# Altium PCB Convector_digit.PcbDoc
Units mm, origin at the board's own origin, x right, y up, seen from the top; angles counter-clockwise.
Board outline 92.7 x 51.01 mm, 2 copper layers (Top Layer, Bottom Layer), stack 1.671 mm thick; 94 components, 78 nets, 290 pads, 65 vias.
Unrouted connection lines stored in the file: 7.
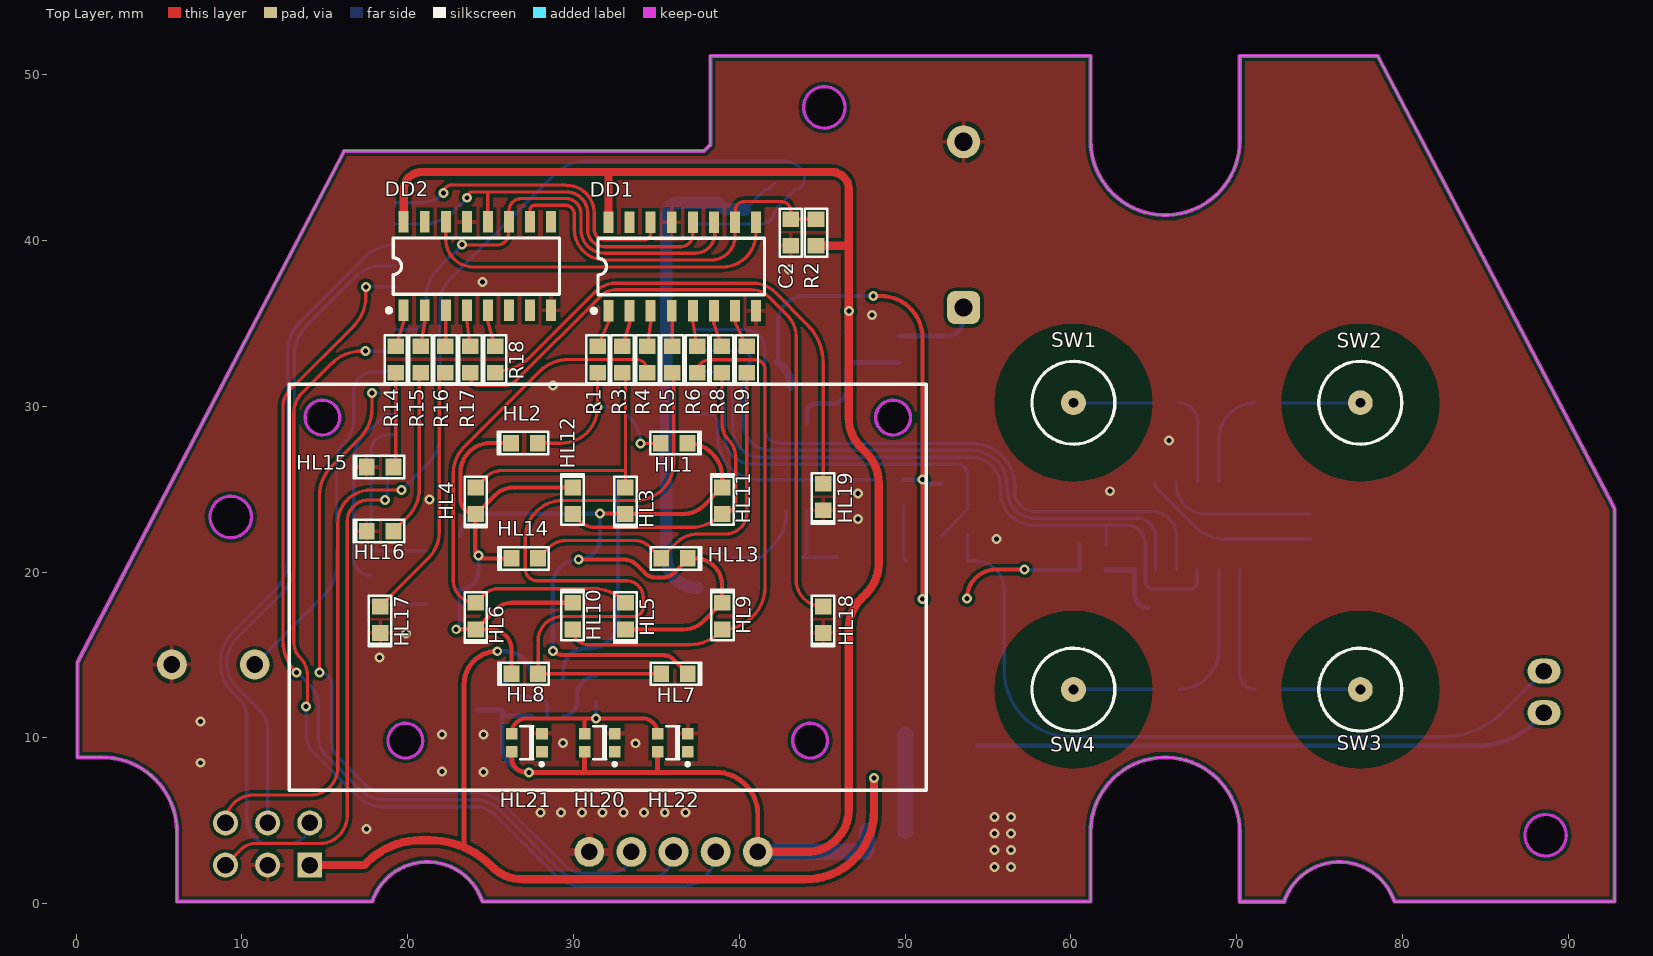
[diagram p0: Top Layer view]
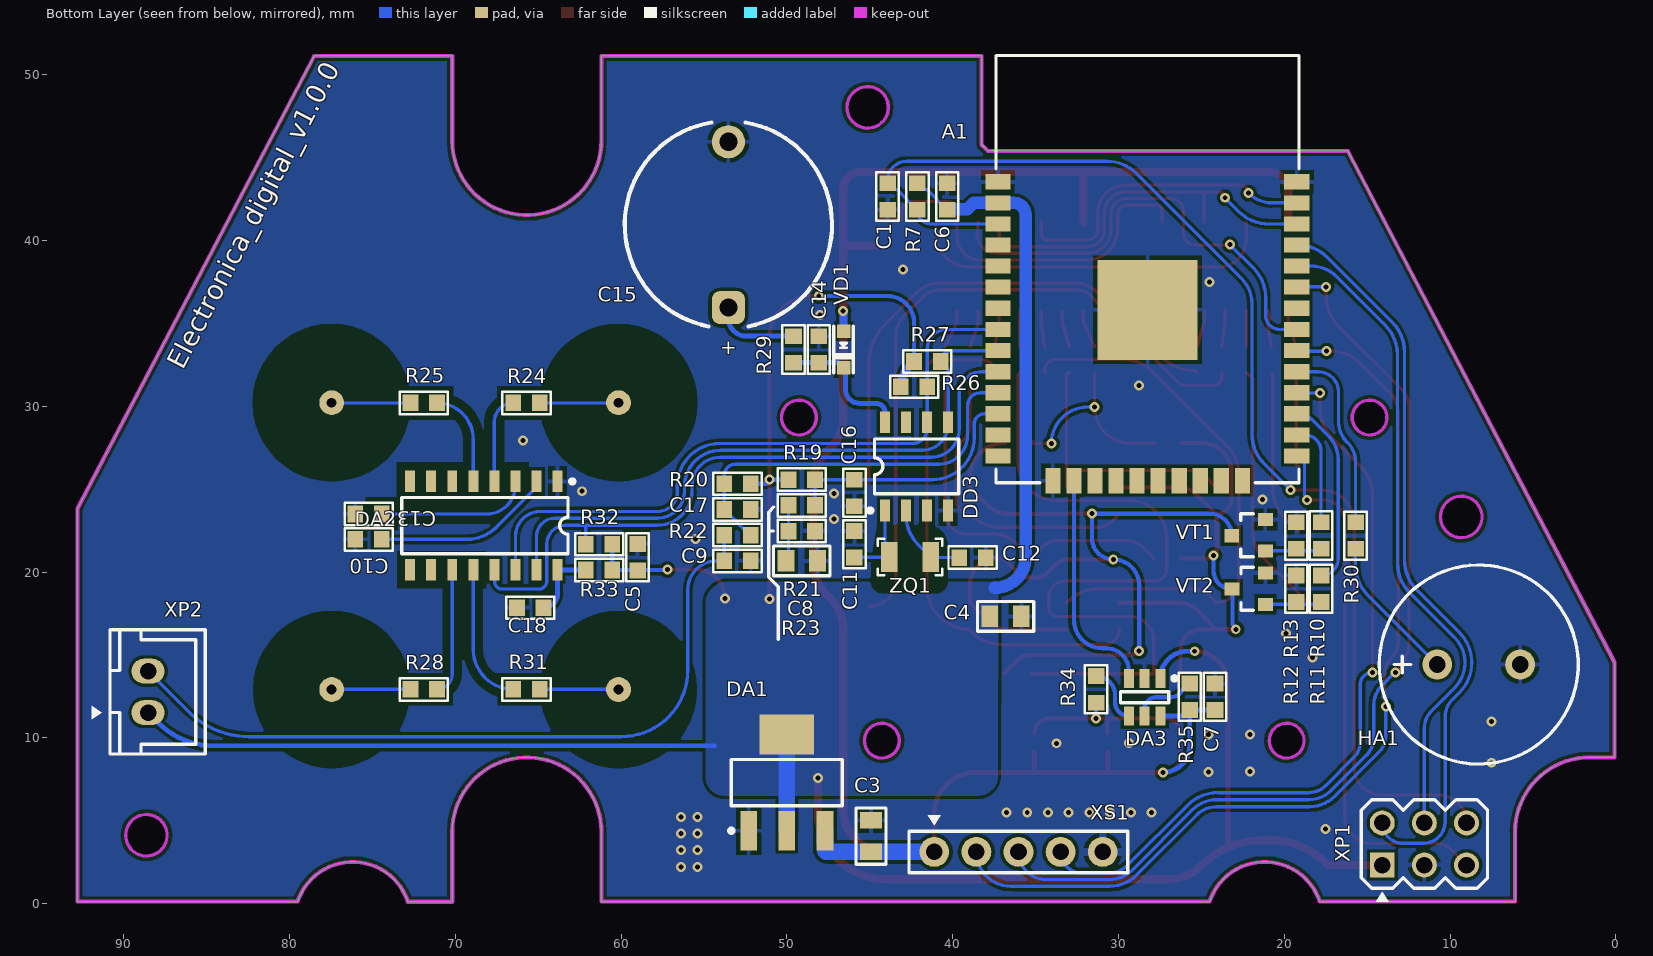
[diagram p1: Bottom Layer view, seen from below]
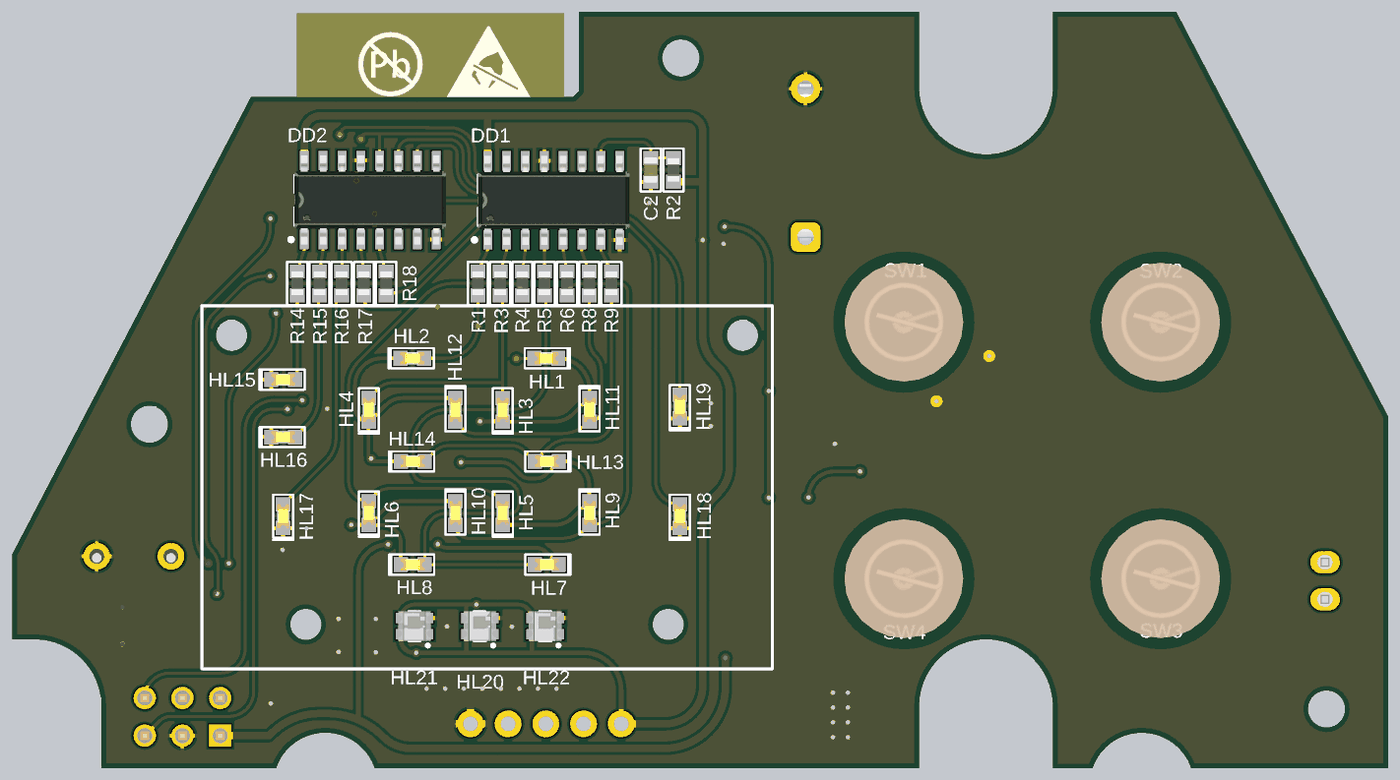
[diagram p2: 3D render of the assembled board from above, using the file's embedded part models]
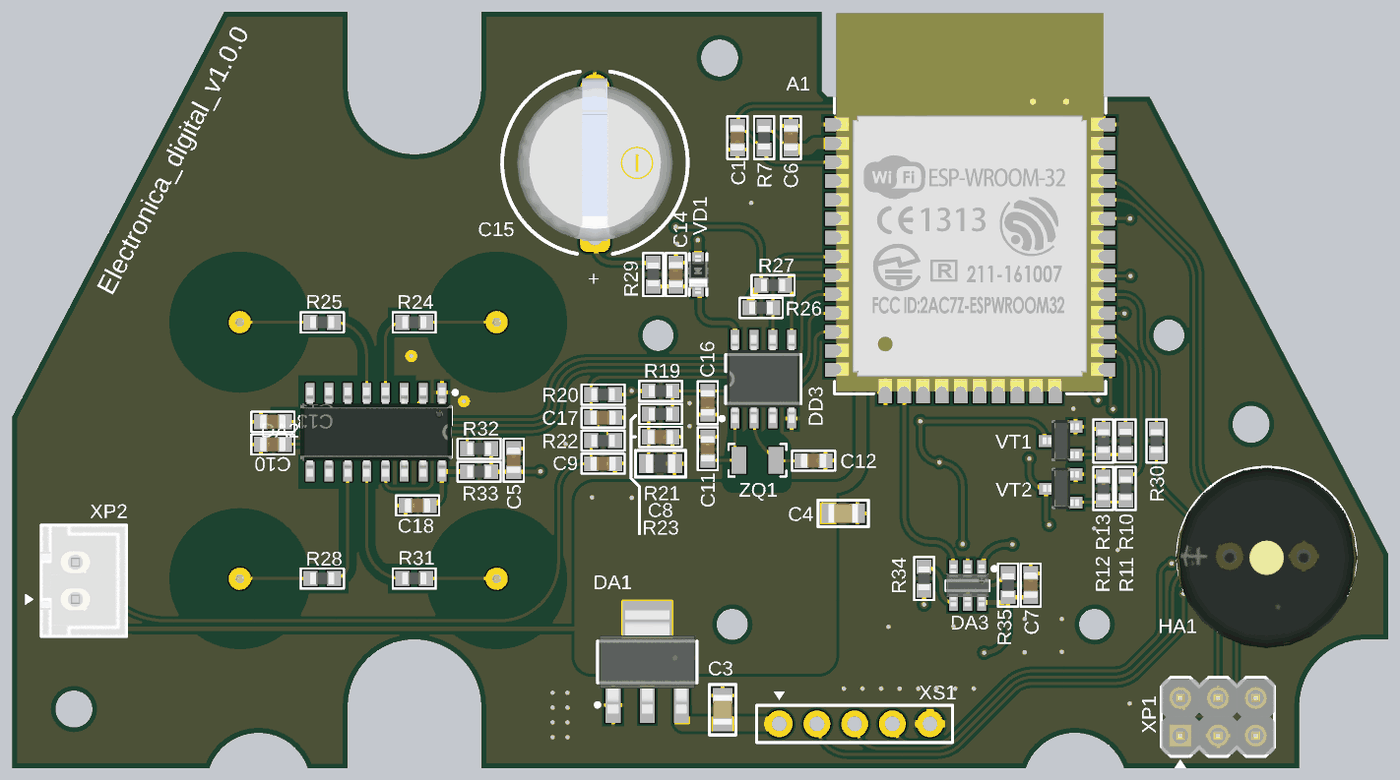
[diagram p3: 3D render of the assembled board from below, using the file's embedded part models]

## Layer stack, top to bottom
Top Solder: solder mask 0.0102, Solder Resist, Dk 3.5
Top Layer: signal copper 0.0356
Dielectric 1: dielectric 1.6, FR-4, Dk 4.8
Bottom Layer: signal copper 0.0356
Bottom Solder: solder mask 0.0102, Solder Resist, Dk 3.5

## Board outline
0.082,8.826 1.582,8.826 cw(c1.582,4.326) 6.082,4.326 6.082,0.126 17.859,0.126 cw(c21.182,-0.974) 24.505,0.126 61.182,0.126 61.182,4.334 cw(c65.682,4.326) 70.182,4.326 70.182,0.117 72.859,0.117 cw(c76.183,-0.979) 79.505,0.126 92.782,0.126 92.782,23.826 78.5,51.126 70.182,51.126 70.182,46.026 cw(c65.682,46.026) 61.182,46.026 61.182,51.126 38.25,51.126 38.25,45.775 37.875,45.4 16.165,45.4 0.082,14.56
cut-out: 18.813,9.834 ccw(c19.863,9.834) 19.863,8.784 ccw(c19.863,9.834) 20.913,9.834 ccw(c19.863,9.834) 19.863,10.884 ccw(c19.863,9.834)
cut-out: 43.227,9.834 ccw(c44.277,9.834) 44.277,8.784 ccw(c44.277,9.834) 45.327,9.834 ccw(c44.277,9.834) 44.277,10.884 ccw(c44.277,9.834)
cut-out: 48.227,29.321 ccw(c49.277,29.321) 49.277,28.271 ccw(c49.277,29.321) 50.327,29.321 ccw(c49.277,29.321) 49.277,30.371 ccw(c49.277,29.321)
cut-out: 14.863,28.271 cw(c14.863,29.321) 13.813,29.321 cw(c14.863,29.321) 14.863,30.371 cw(c14.863,29.321) 15.913,29.321 cw(c14.863,29.321)
cut-out: 87.375,4.125 ccw(c88.625,4.125) 88.625,2.875 ccw(c88.625,4.125) 89.875,4.125 ccw(c88.625,4.125) 88.625,5.375 ccw(c88.625,4.125)
cut-out: 43.875,48.025 ccw(c45.125,48.025) 45.125,46.775 ccw(c45.125,48.025) 46.375,48.025 ccw(c45.125,48.025) 45.125,49.275 ccw(c45.125,48.025)
cut-out: 8.075,23.325 cw(c9.325,23.325) 9.325,24.575 cw(c9.325,23.325) 10.575,23.325 cw(c9.325,23.325) 9.325,22.075 cw(c9.325,23.325)

## Design rules (kind name [scope] priority, off if disabled: settings)
Clearance Clearance_2 [InNetClass('touch1')] p1: gap=0.2 ignorepadtopadclearanceinfootprint=FALSE except(0: Arc-Hole Track-Hole SMDPad-Hole THPad-Hole Via-Hole Fill-Hole Poly-Hole Region-Hole Text-Hole; 0.5: SMDPad-Fill SMDPad-Poly SMDPad-Region; 4: THPad-Fill THPad-Poly THPad-Region)
Clearance Clearance_1 [InNetClass('touch') vs OnLayer('Bottom Layer')] p2: gap=0.2 ignorepadtopadclearanceinfootprint=FALSE except(0.5: Arc-Fill Arc-Poly Arc-Region Arc-Hole Track-Fill Track-Poly Track-Region Track-Hole SMDPad-Fill SMDPad-Poly SMDPad-Region THPad-Fill THPad-Poly THPad-Region)
Clearance [All] p3: gap=0.2 ignorepadtopadclearanceinfootprint=FALSE except(0: Arc-Hole Track-Hole SMDPad-Hole THPad-Hole Via-Hole Fill-Hole Poly-Hole Region-Hole Text-Hole)
ComponentClearance [All] p1: gap=0.254 collisioncheckmode=3 verticalgap=0 showdistances=FALSE
HoleToHoleClearance [All] p1: gap=0 allowstackedmicrovias=TRUE
MinimumSolderMaskSliver [All] p1: minsoldermaskwidth=0
PolygonConnect PolygonConnect_1 [InNet('3.3V')] p1: connectstyle=Direct reliefconductorwidth=0.254 reliefentries=4 polygonreliefangle="90 Angle" airgapwidth=0.254
PolygonConnect [All] p2: thpad.connectstyle=Relief thpad.reliefconductorwidth=0.254 thpad.reliefentries=4 thpad.polygonreliefangle="90 Angle" thpad.airgapwidth=0.254 smdpad.connectstyle=Relief smdpad.reliefconductorwidth=0.254 smdpad.reliefentries=4 smdpad.polygonreliefangle="90 Angle" smdpad.airgapwidth=0.254 via.connectstyle=Direct via.reliefconductorwidth=0.254 via.reliefentries=4 via.polygonreliefangle="90 Angle" via.airgapwidth=0.254
RoutingVias [All] p1: holewidth=0.3 width=0.6 viastyle="Through Hole" minholewidth=0.3 minwidth=0.6 maxholewidth=0.3 maxwidth=0.6
SilkToSilkClearance [All] p1: silktosilkclearance=0
SilkToSolderMaskClearance [IsPad] p1: minsilkscreentomaskgap=0 clearancetoexposedcopper=TRUE
SolderMaskExpansion [All] p1: expansion=0.102 istentingtop=FALSE
Width [All] p1: maxlimit=2 minlimit=0.2 preferedwidth=0.254
25 further rules are at their usual default settings.

## Classes and differential pairs
net class touch1: NetR24_1 NetR25_1 NetR28_1 NetR31_1
net class touch: NetC13_1 NetDA2_4 NetDA2_5 NetDA2_11 NetDA2_12 Touch1 Touch2 Touch3 Touch4 Touch5

## Components (designator, comment, footprint, x,y, rotation, side; value= is the part's Value field where it differs from the comment)
A1 "ESP32-WROOM-32" ESP-WROOM-32 28.25,34.525 r90 bottom locked
C1 "100n" C0603 43.925,42.65 r90 bottom
C2 "1u" C0603 43.1,40.475 r90 top
C3 "10u" C0805 44.925,4.075 r270 bottom
C4 "10u" C0805 36.8,17.325 r0 bottom
C5 "100n" C0603 59,20.9 r270 bottom
C6 "100n" C0603 40.325,42.65 r270 bottom
C7 "100n" C0603 24.175,12.475 r270 bottom
C8 "1u" C0603 49.102,22.472 r0 bottom
C9 "1u" C0603 52.975,20.675 r0 bottom
C10 "4.7n" C0603 75.225,21.975 r0 bottom
C11 "12p" C0603 45.925,21.675 r270 bottom
C12 "12p" C0603 38.8,20.875 r0 bottom
C13 "2.0p" C0603 75.225,23.5 r0 bottom
C14 "100n" C0603 48.075,33.425 r90 bottom
C15 "5.5V 0.22F" 1207H 53.525,40.95 r180 bottom
C16 "100n" C0603 45.925,24.775 r90 bottom
C17 "100n" C0603 52.975,23.775 r0 bottom
C18 "100n" C0603 65.475,17.85 r180 bottom
DA1 "AZ1117EH-3.3" SOT-223 50,7.3 r90 bottom
DA2 "XW09A" SO-16 68.275,22.8 r270 bottom locked
DA3 "RS0101YH6" SOT-23-6 28.425,12.45 r270 bottom
DD1 "74HC595D" SO-16 36.559,38.425 r90 top locked
DD2 "74HC595D" SO-16 24.2,38.45 r90 top locked
DD3 "AiP8563" SO-8 42.175,26.379 r90 bottom
HA1 "Piezo" PS1240P02BT 8.275,14.425 r180 bottom
HL1 "0603 White" LED0603Y 36.067,27.777 r0 top
HL2 "0603 White" LED0603Y 27.035,27.777 r180 top
HL3 "0603 White" LED0603Y 33.13,24.296 r270 top
HL4 "0603 White" LED0603Y 24.102,24.299 r270 top
HL5 "0603 White" LED0603Y 33.131,17.343 r270 top
HL6 "0603 White" LED0603Y 24.102,17.343 r270 top
HL7 "0603 White" LED0603Y 36.093,13.865 r0 top
HL8 "0603 White" LED0603Y 27.062,13.865 r180 top
HL9 "0603 White" LED0603Y 38.974,17.343 r90 top
HL10 "0603 White" LED0603Y 29.943,17.343 r90 top
HL11 "0603 White" LED0603Y 38.974,24.299 r90 top
HL12 "0603 White" LED0603Y 29.943,24.299 r90 top
HL13 "0603 White" LED0603Y 36.093,20.821 r0 top
HL14 "0603 White" LED0603Y 27.062,20.821 r180 top
HL15 "0603 White" LED0603Y 18.334,26.338 r180 top
HL16 "0603 White" LED0603Y 18.334,22.468 r180 top
HL17 "0603 White" LED0603Y 18.334,17.129 r270 top
HL18 "0603 White" LED0603Y 45.055,17.129 r270 top
HL19 "0603 White" LED0603Y 45.055,24.522 r270 top
HL20 "WS2812" WS2812C-2020 31.582,9.709 r0 top value=WS2812C-2020
HL21 "WS2812" WS2812C-2020 27.18,9.709 r0 top value=WS2812C-2020
HL22 "WS2812" WS2812C-2020 35.983,9.709 r0 top value=WS2812C-2020
R1 "330" R0603 31.45,32.825 r90 top
R2 "10K" R0603 44.625,40.475 r90 top
R3 "330" R0603 32.95,32.825 r90 top
R4 "330" R0603 34.45,32.825 r90 top
R5 "330" R0603 35.95,32.825 r90 top
R6 "330" R0603 37.45,32.825 r90 top
R7 "33K" R0603 42.125,42.65 r90 bottom
R8 "330" R0603 38.95,32.825 r90 top
R9 "330" R0603 40.45,32.825 r90 top
R10 "1K" R0603 17.779,22.206 r90 bottom
R11 "1K" R0603 17.775,19 r90 bottom
R12 "100K" R0603 19.275,19 r270 bottom
R13 "100K" R0603 19.275,22.2 r270 bottom
R14 "330" R0603 19.275,32.825 r90 top
R15 "330" R0603 20.775,32.825 r90 top
R16 "330" R0603 22.275,32.825 r90 top
R17 "330" R0603 23.775,32.825 r90 top
R18 "330" R0603 25.275,32.825 r90 top
R19 "33K" R0603 49.102,25.572 r0 bottom
R20 "33K" R0603 52.975,25.325 r180 bottom
R21 "5.1K" R0603 49.102,24.022 r180 bottom
R22 "5.1K" R0603 52.975,22.225 r180 bottom
R23 "5.0K" R0805 49.102,20.672 r0 bottom
R24 "1K" R0603 65.7,30.2 r0 bottom
R25 "1K" R0603 71.9,30.2 r180 bottom
R26 "4.7K" R0603 42.325,31.179 r0 bottom
R27 "4.7K" R0603 41.525,32.7 r0 bottom
R28 "1K" R0603 71.9,12.925 r180 bottom
R29 "100" R0603 49.6,33.425 r90 bottom
R30 "1K" R0603 15.7,22.2 r90 bottom
R31 "1K" R0603 65.7,12.925 r0 bottom
R32 "4.7K" R0603 61.325,21.675 r180 bottom
R33 "18" R0603 61.325,20.125 r180 bottom
R34 "330" R0603 31.35,12.925 r270 bottom
R35 "1K" R0603 25.7,12.475 r270 bottom
SW1 "XL-2258" XL-2258 60.149,30.213 r0 top locked
SW2 "XL-2258" XL-2258 77.449,30.213 r0 top locked
SW3 "XL-2258" XL-2258 77.449,12.913 r0 top locked
SW4 "XL-2258" XL-2258 60.149,12.913 r0 top locked
VD1 "1N4148" SOD-323_DIODE 46.575,33.425 r90 bottom value=1N4148WS
VT1 "2N7002" SOT-23-3 22.154,22.218 r90 bottom
VT2 "2N7002" SOT-23-3 22.15,19 r90 bottom
XP1 "PLD-6" PLD-6 11.55,3.6 r90 bottom
XP2 "WK-02" WK-02 88.475,12.775 r270 bottom value="B2B-XH-A (LF) (SN) (WK-02)"
XS1 "PBS-05" PBS-05 36.03,3.125 r180 bottom locked
ZQ1 "32.768kHz" KX-327NHT 42.575,20.9 r180 bottom

## Footprints (in the part's own frame and the unit in brackets; to place one, negate y for a bottom-side part, rotate by r counter-clockwise, add the part's x,y. Pads: shape width x height; smd on the part's side, far side on the other; paste and mask are expansions set on the pad)
1207H [mm] "Electric Double Layer Capacitors"
  rrect50% 2x2 hole 1.1: +(0,-5)
  round 2 hole 1.1: -(0,5)
  silkscreen extent -6.25,-6.13 6.25,6.16, body extent -5.25,-5.25 5.25,5.71, height 5.42
C0603 [mm] "Chip Ceramic Capacitor"
  rect 0.95x1 smd: 1(-0.8,0) 2(0.8,0)
  silkscreen extent -1.45,-0.67 1.45,0.67, body extent -0.87,-0.47 0.88,0.48, height 0.87
C0805 [mm] "Chip Ceramic Capacitor"
  rect 1x1.3 smd: 1(-0.95,0) 2(0.95,0)
  silkscreen extent -1.7,-0.9 1.7,0.9, body extent -1,-0.64 1,0.64, height 1.26
ESP-WROOM-32 [mil] "ESP-WROOM-32"
  rect 36x60 smd: 1(354.76,354.67) 2(304.76,354.67) 3(254.76,354.67) 4(204.76,354.67) 5(154.76,354.67) 6(104.76,354.67) 7(54.76,354.67) 8(3.91,354.67) 9(-46.09,354.67) 10(-96.09,354.67) 11(-146.09,354.67) 12(-196.09,354.66) 13(-246.09,354.67) 14(-296.09,354.67) 25(-296.09,-354.67) 26(-246.09,-354.67) 27(-196.09,-354.67) 28(-146.09,-354.67) 29(-96.09,-354.67) 30(-46.09,-354.67) 31(3.9,-354.67) 32(54.76,-354.67) 33(104.76,-354.67) 34(154.76,-354.67) 35(204.76,-354.67) 36(254.76,-354.67) 37(304.76,-354.67) 38(354.76,-354.67)
  rect 60x36 smd: 15(-354.76,224.67) 16(-354.76,174.67) 17(-354.76,124.67) 18(-354.76,74.67) 19(-354.76,24.67) 20(-354.76,-25.33) 21(-354.76,-75.33) 22(-354.76,-125.33) 23(-354.76,-175.33) 24(-354.76,-225.33)
  rect 237x237 smd: GND(50.76,-0.33)
  silkscreen extent -360,-360 655,360, body extent -354,-354 650,355, height 114
KX-327NHT [mm] "KX-327NHT"
  rect 1x1.8 smd: 1(-1.25,0) 2(1.25,0)
  silkscreen extent -1.95,-1.1 1.95,1.1, body extent -1.85,-1 1.85,1, height 1
LED0603Y [mm] "LED chip yellow, EIA 0603, Metric 1608, Body 1.6x0.8mm, IPC Medium Density"
  rect 0.95x1 smd: A(-0.8,0) C(0.8,0)
  silkscreen extent -1.45,-0.67 1.6,0.67, body extent -0.8,-0.4 0.8,0.4, height 0.6
PBS-05 [mm]
  round 1.8 hole 1: 1(-5.08,0) 2(-2.54,0) 3(0,0) 4(2.54,0) 5(5.08,0)
  silkscreen extent -6.6,-1.25 6.6,2.2, body extent -6.6,-1.25 6.6,1.25, height 8.5
PLD-6 [mm]
  rect 1.5x1.5 hole 1: 1(-1.27,2.54)
  round 1.5 hole 1: 2(1.27,2.54) 3(-1.27,0) 4(1.27,0) 5(-1.27,-2.54) 6(1.27,-2.54)
  silkscreen extent -3.47,-3.81 2.67,3.81, body extent -2.54,-3.81 2.54,3.81, height 8.7
PS1240P02BT [mm] "Пьезоизлучатель"
  round 1.8 hole 1: 1(-2.5,0) 2(2.5,0)
  silkscreen extent -6,-6 6,6, body extent -6.1,-6.2 6.1,6, height 6.5
R0603 [mm] "Chip Resistor"
  rect 0.95x1 smd: 1(-0.8,0) 2(0.8,0)
  silkscreen extent -1.45,-0.67 1.45,0.67, body extent -0.8,-0.4 0.8,0.4, height 0.3
R0805 [mm] "Chip Resistor"
  rect 1x1.3 smd: 1(-0.95,0) 2(0.95,0)
  silkscreen extent -1.7,-0.9 1.7,0.9, body extent -1,-0.62 1,0.63, height 0.5
SO-8 [mm] "SOIC, 8-Leads, Body 4.9x3.9mm, Pitch 1.27mm"
  rect 1.3x0.6 smd: 1(-2.667,1.905) 2(-2.667,0.635) 3(-2.667,-0.635) 4(-2.667,-1.905) 5(2.667,-1.905) 6(2.667,-0.635) 7(2.667,0.635) 8(2.667,1.905)
  silkscreen extent -2.79,-2.54 1.65,2.92, body extent -2.97,-2.45 2.97,2.45, height 1.45
SO-16 [mm] "SOIC, 16-Leads, Body 9.9x3.9mm, Pitch 1.27mm"
  rect 1.3x0.6 smd: 1(-2.667,4.445) 2(-2.667,3.175) 3(-2.667,1.905) 4(-2.667,0.635) 5(-2.667,-0.635) 6(-2.667,-1.905) 7(-2.667,-3.175) 8(-2.667,-4.445) 9(2.667,-4.445) 10(2.667,-3.175) 11(2.667,-1.905) 12(2.667,-0.635) 13(2.667,0.635) 14(2.667,1.905) 15(2.667,3.175) 16(2.667,4.445)
  silkscreen extent -2.79,-4.95 1.7,5.46, body extent -3,-5.1 3,5.1, height 1.7
SOD-323_DIODE [mm] "Площадка для диода в корпусе SOD-323"
  rect 0.8x0.8 smd: A(1.1,0) C(-1.1,0)
  silkscreen extent -1.4,-0.59 1.4,0.59, body extent -1.3,-0.67 1.3,0.68, height 1.1
SOT-23-3 [mm]
  rect 0.8x0.9 smd: X(-0.95,-1.012) Y(-0.025,1.012) Z(0.95,-1.013)
  silkscreen extent -1.3,-0.29 1.3,0.46, body extent -1.4,-1.23 1.39,1.2, height 1.09
SOT-23-6 [mm] "SOT23, 6-Leads, Body 2.9x1.3mm, Pitch 0.95mm, Lead Span 2.3mm, IPC Medium Density"
  rect 1.15x0.6 smd: 1(-1.137,0.95) 2(-1.137,0) 3(-1.137,-0.95) 4(1.137,-0.95) 5(1.13,0) 6(1.137,0.95)
  silkscreen extent -1.26,-1.45 0.34,1.92, body extent -1.41,-1.45 1.39,1.45, height 1.45
SOT-223 [mm] "SOT-223, 4-Leads, Body 6.5x3.5mm, Pitch 2.3mm, Lead Span 7mm, IPC Medium Density"
  rect 2.4x1 smd: X(-2.9,2.3) Y(-2.9,0) Z(-2.9,-2.3)
  rect 2.4x3.3 smd: Y(2.9,0)
  silkscreen extent -3.02,-3.35 1.4,3.48, body extent -3.48,-3.25 3.48,3.25, height 1.7
WK-02 [mm] "Разъём штыревой шаг 2.5мм (JST)"
  oval 1.5x2 hole 1: 1(1.25,-0.05) 2(-1.25,-0.05)
  silkscreen extent -3.75,-3.45 3.75,3.4, body extent -3.7,-2.4 3.7,3.35, height 7
WS2812C-2020 [mm] "Intelligent control LED  integrated light source"
  rect 0.7x0.7 smd: +(-0.915,-0.55) -(0.915,0.55) I(-0.915,0.55) O(0.915,-0.55)
  silkscreen extent -0.4,-1.4 1,1, body extent -1.1,-1 1.1,1, height 0.86
XL-2258 [mm] "Sensor Spring XL-2258"
  round 1.5 hole 0.6: 1(0,0)
  Top Layer pour cut-out: 0,3.75 1.435,3.464 2.652,2.651 3.465,1.435 3.75,0 3.75,0 3.248,-1.875 1.875,-3.247 0,-3.75 0,-3.75 -1.875,-3.247 -3.247,-1.875 -3.75,0 -3.75,0 -3.464,1.435 -2.652,2.652 -1.435,3.465 0,3.75
  Bottom Layer pour cut-out: 0,2.5 0.957,2.31 1.768,1.768 2.31,0.957 2.5,0 2.5,0 2.165,-1.25 1.25,-2.165 0,-2.5 0,-2.5 -0.957,-2.31 -1.768,-1.768 -2.309,-0.957 -2.5,0 -2.5,0 -2.165,1.25 -1.25,2.165 0,2.5
  silkscreen extent -2.5,-2.5 2.5,2.5, body extent -4,-4 4,4, height 6.22
